# Altium PCB Cubli.PcbDoc (part 4 of 5) (continued)
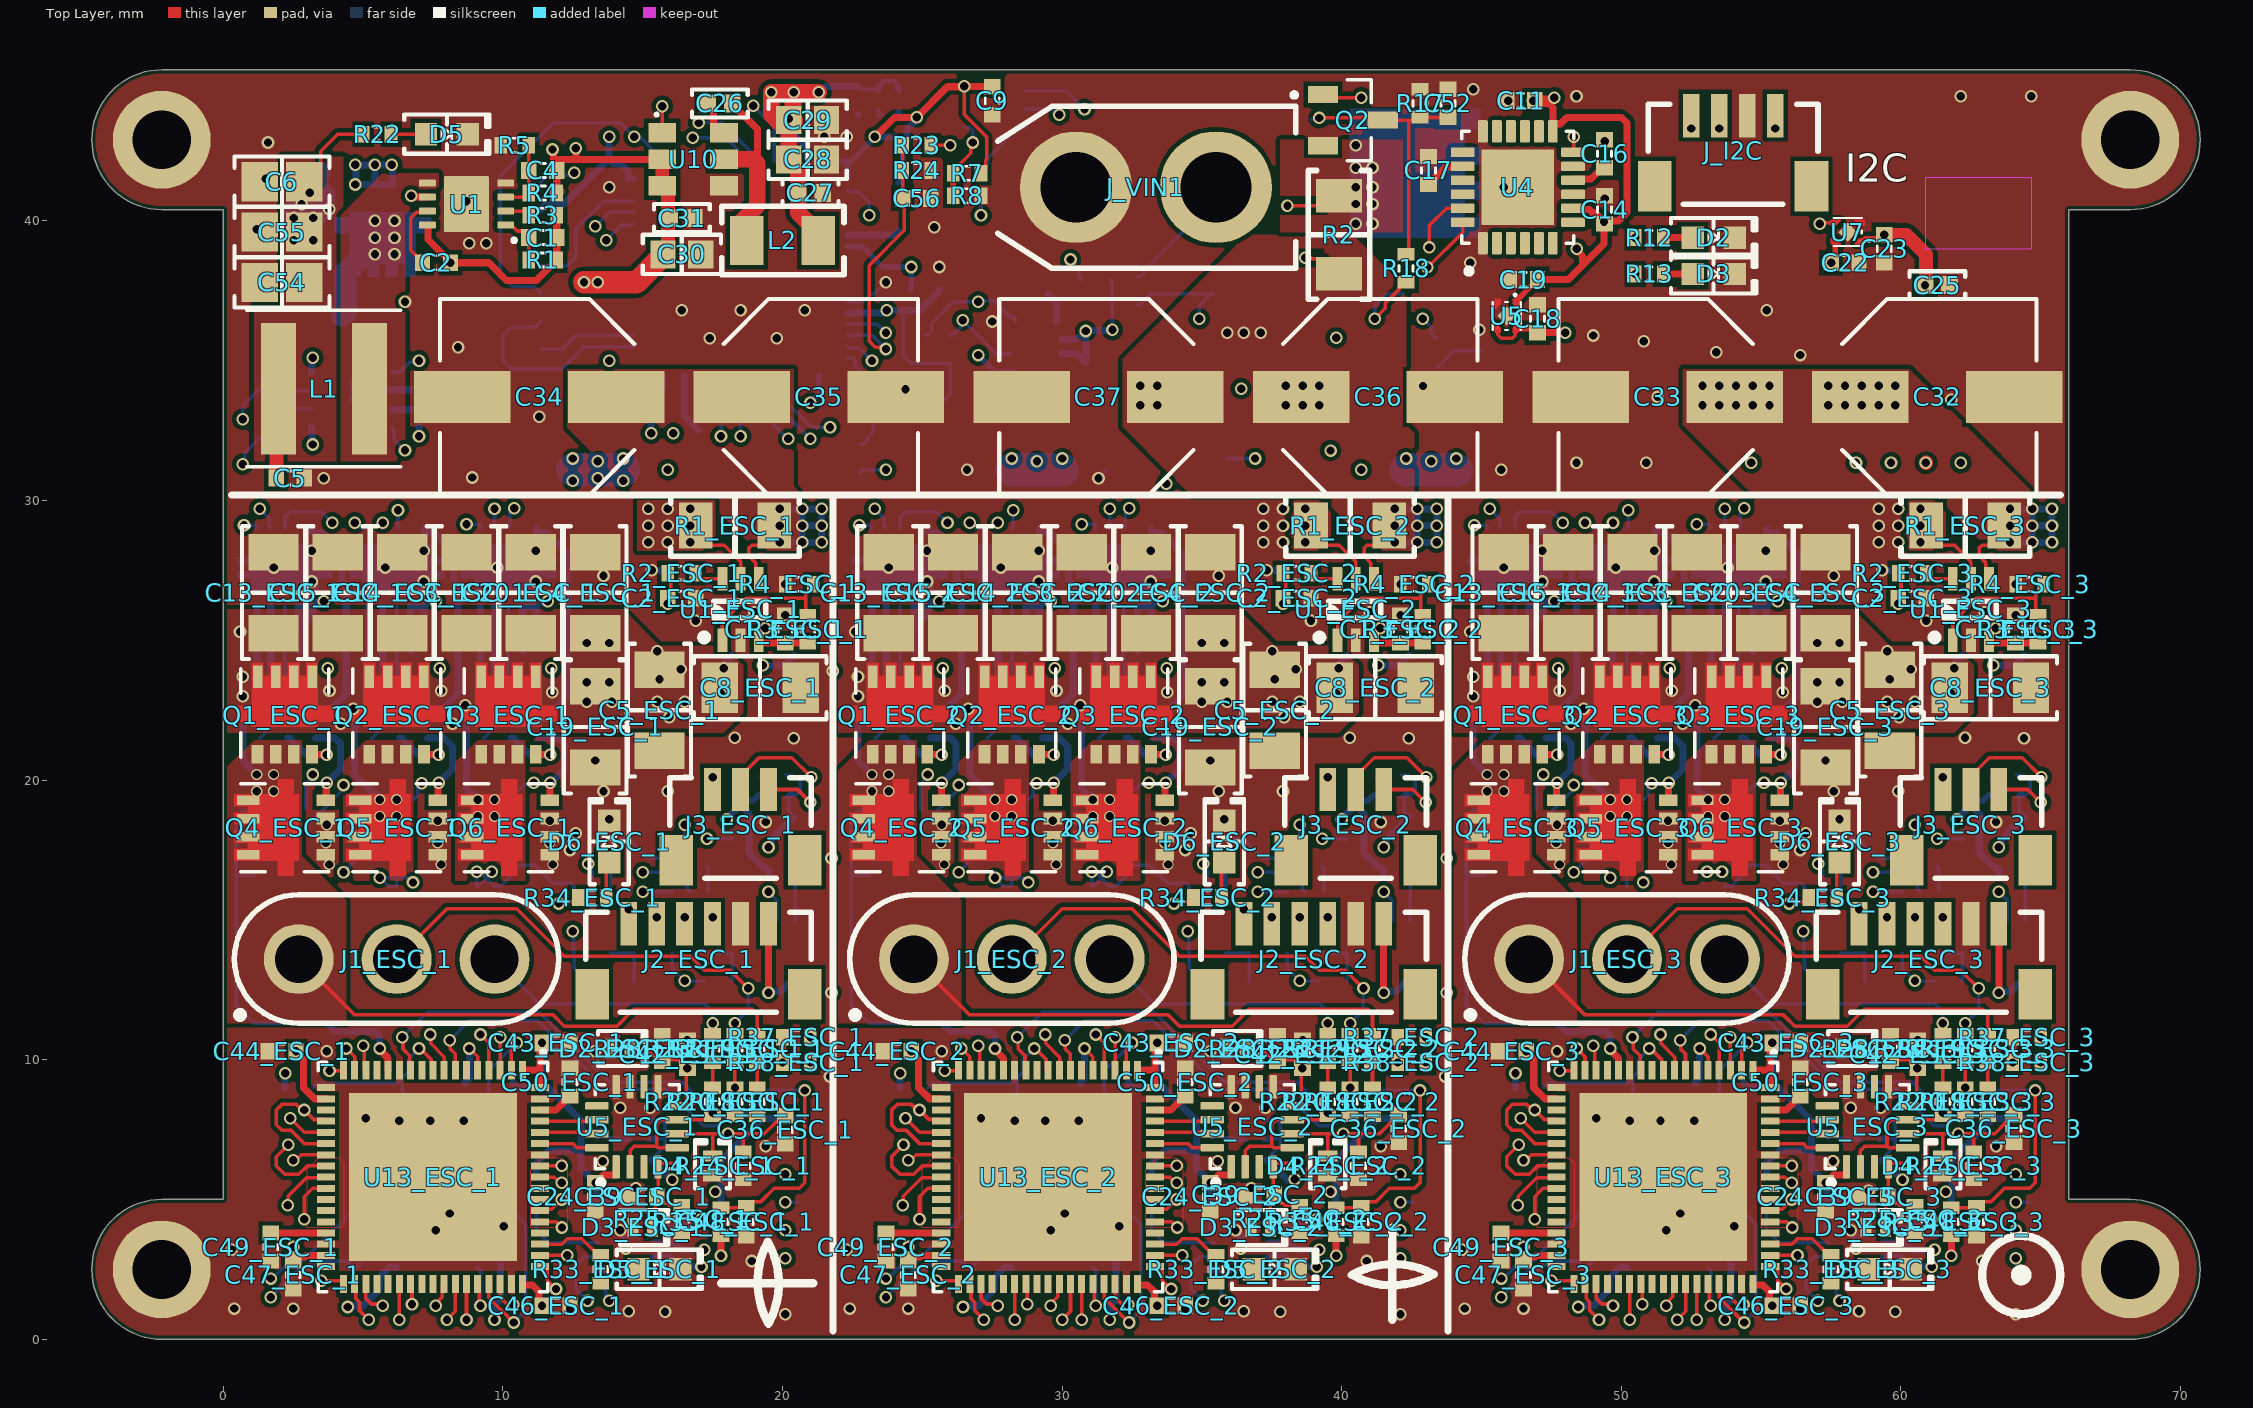
[diagram p0: Top Layer view]
## Nets (pads, with @x,y where several pads share a name; then routed paths per layer and width w, separated by ;. In a path a pad name is that pad's centre, name@x,y a point inside that pad or via, vN(x,y) a via of type N, cw(c..) or ccw(c..) an arc to the next point about the centre after c; other vN are vias at no path point) (continued)
OUT_V_3: J1_ESC_3.2 R13_ESC_3.2 R21_ESC_3.1 U11_ESC_3.4 | length 31.6
  Top Layer w0.127: J1_ESC_3.2@50.2,13.6 52,15.4 54.5,15.4 56.2,13.7 60.7,13.7 61.2,13.2 62.125,13.2 v1(62.777,12.548)
  Top Layer w0.254: R21_ESC_3.1@62.3,10.9 v1(62.3,11.3)
  Signal 2 w0.127: v1(48.3,16.7) 49.2,15.8 51.2,15.8 51.4,16 v1(59,16)
  Bottom Layer w0.127: v1(48.3,16.7) 48.8,17.2 50,17.2 50.2,17 R13_ESC_3.2@50.2,16.2 ; v1@59.062,15.938 v1(59,16) U11_ESC_3.4@60.05,16 ; v1(62.3,11.3) 62.777,11.777 v1(62.777,12.548)
  other v1: 50.785,16.338 49.6,16.5
OUT_W_1: J1_ESC_1.3 R14_ESC_1.2 R23_ESC_1.1 U12_ESC_1.4 | length 15.3
  Top Layer w0.127: R23_ESC_1.1@17.5,10.9 v1(17.5,11.3)
  Bottom Layer w0.127: v1(9.598,16.716) 9.598,16.673 9.125,16.2 9.062,16.2 v1(9.062,16.725) 9.175,16.725 9.413,16.487 R14_ESC_1.2@9.7,16.2 9.925,16.2 10.462,16.737 10.462,16.887 10.536,16.962 11.139,16.962 11.789,16.312 12.439,16.312 12.55,16.2 U12_ESC_1.4@12.55,16 ; J1_ESC_1.3@9.7,13.6 11.3,12 17.215,12 17.5,11.715 v1(17.5,11.3)
OUT_W_2: J1_ESC_2.3 R14_ESC_2.2 R23_ESC_2.1 U12_ESC_2.4 | length 15.3
  Top Layer w0.127: R23_ESC_2.1@39.5,10.9 v1(39.5,11.3)
  Bottom Layer w0.127: v1(31.598,16.716) 31.598,16.673 31.125,16.2 31.062,16.2 v1(31.062,16.725) 31.175,16.725 31.413,16.487 R14_ESC_2.2@31.7,16.2 31.925,16.2 32.461,16.737 32.461,16.887 32.536,16.962 33.138,16.962 33.788,16.312 34.438,16.312 34.55,16.2 U12_ESC_2.4@34.55,16 ; J1_ESC_2.3@31.7,13.6 33.3,12 39.215,12 39.5,11.715 v1(39.5,11.3)
OUT_W_3: J1_ESC_3.3 R14_ESC_3.2 R23_ESC_3.1 U12_ESC_3.4 | length 13.2
  Top Layer w0.127: R23_ESC_3.1@61.5,10.9 v1(61.5,11.3)
  Bottom Layer w0.127: J1_ESC_3.3@53.7,13.6 55.3,12 61.215,12 61.5,11.715 v1(61.5,11.3) ; R14_ESC_3.2@53.7,16.2 53.925,16.2 54.461,16.736 54.461,16.887 54.536,16.962 55.138,16.962 55.788,16.312 56.438,16.312 56.55,16.2 U12_ESC_3.4@56.55,16
  other v1: 53.598,16.716 53.062,16.725
PWM_UH_1: U8_ESC_1.7 U13_ESC_1.44 | length 37.1
  Top Layer w0.127: v1(7.6,1.2) 7.6,1.287 7.838,1.526 7.838,1.914 U13_ESC_1.44@7.9,1.975
  Signal 1 w0.127: v1(1.3,29.7) 1.3,21.6 2.2,20.7 2.2,18.5 0.3,16.6 0.3,4.6 3.5,1.4 3.8,1.4 4.2,1.8 7,1.8 v1(7.6,1.2)
  Bottom Layer w0.127: v1(1.3,29.7) 1.644,29.356 1.644,29.056 U8_ESC_1.7@1.7,29
PWM_UH_2: U8_ESC_2.7 U13_ESC_2.44 | length 37.1
  Top Layer w0.127: v1(29.6,1.2) 29.6,1.287 29.838,1.526 29.838,1.914 U13_ESC_2.44@29.9,1.975
  Signal 1 w0.127: v1(23.3,29.7) 23.3,21.6 24.2,20.7 24.2,18.5 22.3,16.6 22.3,4.6 25.5,1.4 25.8,1.4 26.2,1.8 29,1.8 v1(29.6,1.2)
  Bottom Layer w0.127: v1(23.3,29.7) 23.643,29.356 23.643,29.056 U8_ESC_2.7@23.7,29
PWM_UH_3: U8_ESC_3.7 U13_ESC_3.44 | length 37.1
  Top Layer w0.127: v1(51.6,1.2) 51.6,1.287 51.838,1.526 51.838,1.914 U13_ESC_3.44@51.9,1.975
  Signal 1 w0.127: v1(45.3,29.7) 45.3,21.6 46.2,20.7 46.2,18.5 44.3,16.6 44.3,4.6 47.5,1.4 47.8,1.4 48.2,1.8 51,1.8 v1(51.6,1.2)
  Bottom Layer w0.127: v1(45.3,29.7) 45.643,29.356 45.643,29.056 U8_ESC_3.7@45.7,29
PWM_UL_1: U8_ESC_1.8 U13_ESC_1.35 | length 34.7
  Top Layer w0.127: v1(3.5,2.1) 4.239,2.1 4.3,2.038 U13_ESC_1.35@4.3,1.975
  Signal 1 w0.127: v1(3.5,2.1) 3.5,4.7 2.984,5.216 2.084,5.216 1.2,6.1 1.2,10.5 2.5,11.8 3.6,11.8 4.3,12.5 4.3,14.7 4.8,15.2 4.8,20.3 5.3,20.8 5.3,27.8 v1(3.9,29.2)
  Bottom Layer w0.127: U8_ESC_1.8@2.2,29 2.209,29.009 2.209,29.409 2.4,29.6 3.5,29.6 v1(3.9,29.2)
PWM_UL_2: U8_ESC_2.8 U13_ESC_2.35 | length 34.7
  Top Layer w0.127: v1(25.5,2.1) 26.238,2.1 26.3,2.038 U13_ESC_2.35@26.3,1.975
  Signal 1 w0.127: v1(25.5,2.1) 25.5,4.7 24.984,5.216 24.084,5.216 23.2,6.1 23.2,10.5 24.5,11.8 25.6,11.8 26.3,12.5 26.3,14.7 26.8,15.2 26.8,20.3 27.3,20.8 27.3,27.8 v1(25.9,29.2)
  Bottom Layer w0.127: U8_ESC_2.8@24.2,29 24.209,29.009 24.209,29.409 24.4,29.6 25.5,29.6 v1(25.9,29.2)
PWM_UL_3: U8_ESC_3.8 U13_ESC_3.35 | length 34.7
  Top Layer w0.127: v1(47.5,2.1) 48.238,2.1 48.3,2.038 U13_ESC_3.35@48.3,1.975
  Signal 1 w0.127: v1(47.5,2.1) 47.5,4.7 46.984,5.216 46.084,5.216 45.2,6.1 45.2,10.5 46.5,11.8 47.6,11.8 48.3,12.5 48.3,14.7 48.8,15.2 48.8,20.3 49.3,20.8 49.3,27.8 v1(47.9,29.2)
  Bottom Layer w0.127: U8_ESC_3.8@46.2,29 46.209,29.009 46.209,29.409 46.4,29.6 47.5,29.6 v1(47.9,29.2)
PWM_VH_1: U9_ESC_1.7 U13_ESC_1.45 | length 36.8
  Top Layer w0.127: v1(8,0.7) 8.3,1 U13_ESC_1.45@8.3,1.975
  Signal 1 w0.127: v1(5.7,29.2) 6.4,28.5 6.4,21.3 5.1,20 5.1,15 4.6,14.5 4.6,12.2 3.9,11.5 2.7,11.5 1.5,10.3 1.5,6.4 2.3,5.6 3.9,5.6 8.016,1.485 8.016,0.716 v1(8,0.7)
  Bottom Layer w0.127: U9_ESC_1.7@5.7,29 v1(5.7,29.2)
PWM_VH_2: U9_ESC_2.7 U13_ESC_2.45 | length 36.8
  Top Layer w0.127: v1(30,0.7) 30.3,1 U13_ESC_2.45@30.3,1.975
  Signal 1 w0.127: v1(27.7,29.2) 28.4,28.5 28.4,21.3 27.1,20 27.1,15 26.6,14.5 26.6,12.2 25.9,11.5 24.7,11.5 23.5,10.3 23.5,6.4 24.3,5.6 25.9,5.6 30.015,1.485 30.015,0.716 v1(30,0.7)
  Bottom Layer w0.127: U9_ESC_2.7@27.7,29 v1(27.7,29.2)
PWM_VH_3: U9_ESC_3.7 U13_ESC_3.45 | length 36.8
  Top Layer w0.127: v1(52,0.7) 52.3,1 U13_ESC_3.45@52.3,1.975
  Signal 1 w0.127: v1(49.7,29.2) 50.4,28.5 50.4,21.3 49.1,20 49.1,15 48.6,14.5 48.6,12.2 47.9,11.5 46.7,11.5 45.5,10.3 45.5,6.4 46.3,5.6 47.9,5.6 52.015,1.485 52.015,0.716 v1(52,0.7)
  Bottom Layer w0.127: U9_ESC_3.7@49.7,29 v1(49.7,29.2)
PWM_VL_1: U9_ESC_1.8 U13_ESC_1.26 | length 32.5
  Top Layer w0.127: v1(2.3,4.8) 2.317,4.817 2.317,5.117 2.977,5.777 3.652,5.777 U13_ESC_1.26@3.675,5.8
  Signal 1 w0.127: v1(2.3,4.8) 1.7,4.8 0.9,5.6 0.9,13.837 1.3,14.237 1.3,16.3 2.754,17.754 2.754,28.954 3.523,29.723 v1@6.4,29.723
  Bottom Layer w0.127: U9_ESC_1.8@6.2,29 6.25,29.05 v1(6.25,29.65)
PWM_VL_2: U9_ESC_2.8 U13_ESC_2.26 | length 32.5
  Top Layer w0.127: v1(24.3,4.8) 24.317,4.817 24.317,5.117 24.977,5.777 25.652,5.777 U13_ESC_2.26@25.675,5.8
  Signal 1 w0.127: v1(24.3,4.8) 23.7,4.8 22.9,5.6 22.9,13.837 23.3,14.237 23.3,16.3 24.754,17.754 24.754,28.954 25.523,29.723 v1@28.4,29.723
  Bottom Layer w0.127: U9_ESC_2.8@28.2,29 28.25,29.05 v1(28.25,29.65)
PWM_VL_3: U9_ESC_3.8 U13_ESC_3.26 | length 32.5
  Top Layer w0.127: v1(46.3,4.8) 46.317,4.817 46.317,5.117 46.977,5.777 47.652,5.777 U13_ESC_3.26@47.675,5.8
  Signal 1 w0.127: v1(46.3,4.8) 45.7,4.8 44.9,5.6 44.9,13.837 45.3,14.237 45.3,16.3 46.754,17.754 46.754,28.954 47.523,29.723 v1@50.4,29.723
  Bottom Layer w0.127: U9_ESC_3.8@50.2,29 50.25,29.05 v1(50.25,29.65)
PWM_WH_1: U10_ESC_1.7 U13_ESC_1.46 | length 40.2
  Top Layer w0.127: v1(8.7,0.7) U13_ESC_1.46@8.7,1.975
  Signal 1 w0.127: v1(8.7,0.7) 8.7,1.4 4.2,5.9 2.4,5.9 1.8,6.5 1.8,10.1 2.9,11.2 4.2,11.2 5,12 7.1,12 7.946,12.846 7.946,14.605 8.346,15.005 8.346,19.846 9.2,20.7 9.2,28.2 9.7,28.7 v1(9.7,29.7)
  Bottom Layer w0.127: U10_ESC_1.7@9.7,29 v1(9.7,29.7)
PWM_WH_2: U10_ESC_2.7 U13_ESC_2.46 | length 40.2
  Top Layer w0.127: v1(30.7,0.7) U13_ESC_2.46@30.7,1.975
  Signal 1 w0.127: v1(30.7,0.7) 30.7,1.4 26.2,5.9 24.4,5.9 23.8,6.5 23.8,10.1 24.9,11.2 26.2,11.2 27,12 29.1,12 29.946,12.846 29.946,14.605 30.346,15.005 30.346,19.846 31.2,20.7 31.2,28.2 31.7,28.7 v1(31.7,29.7)
  Bottom Layer w0.127: U10_ESC_2.7@31.7,29 v1(31.7,29.7)
PWM_WH_3: U10_ESC_3.7 U13_ESC_3.46 | length 40.2
  Top Layer w0.127: v1(52.7,0.7) U13_ESC_3.46@52.7,1.975
  Signal 1 w0.127: v1(52.7,0.7) 52.7,1.4 48.2,5.9 46.4,5.9 45.8,6.5 45.8,10.1 46.9,11.2 48.2,11.2 49,12 51.1,12 51.946,12.846 51.946,14.605 52.346,15.005 52.346,19.846 53.2,20.7 53.2,28.2 53.7,28.7 v1(53.7,29.7)
  Bottom Layer w0.127: U10_ESC_3.7@53.7,29 v1(53.7,29.7)
PWM_WL_1: U10_ESC_1.8 U13_ESC_1.27 | length 38.5
  Top Layer w0.127: v1(2.9,4.3) 2.9,5.1 3.2,5.4 U13_ESC_1.27@3.675,5.4
  Signal 1 w0.127: v1(2.9,4.3) 1.7,4.3 0.6,5.4 0.6,16.3 2.5,18.2 2.5,21 2.3,21.2 2.3,29.2 3.3,30.2 9.923,30.2 v1(10.4,29.723)
  Bottom Layer w0.127: U10_ESC_1.8@10.2,29 10.25,29.05 v1@10.25,29.65
PWM_WL_2: U10_ESC_2.8 U13_ESC_2.27 | length 38.5
  Top Layer w0.127: v1(24.9,4.3) 24.9,5.1 25.2,5.4 U13_ESC_2.27@25.675,5.4
  Signal 1 w0.127: v1(24.9,4.3) 23.7,4.3 22.6,5.4 22.6,16.3 24.5,18.2 24.5,21 24.3,21.2 24.3,29.2 25.3,30.2 31.923,30.2 v1(32.4,29.723)
  Bottom Layer w0.127: U10_ESC_2.8@32.2,29 32.25,29.05 v1@32.25,29.65
PWM_WL_3: U10_ESC_3.8 U13_ESC_3.27 | length 38.5
  Top Layer w0.127: v1(46.9,4.3) 46.9,5.1 47.2,5.4 U13_ESC_3.27@47.675,5.4
  Signal 1 w0.127: v1(46.9,4.3) 45.7,4.3 44.6,5.4 44.6,16.3 46.5,18.2 46.5,21 46.3,21.2 46.3,29.2 47.3,30.2 53.923,30.2 v1(54.4,29.723)
  Bottom Layer w0.127: U10_ESC_3.8@54.2,29 54.25,29.05 v1@54.25,29.65
PWR_EN: Q2.1 R21.2 U11.16 | length 34.2
  Top Layer w0.127: Q2.1@39.33,44.515 39.445,44.4 v1(40.7,44.4)
  Signal 1 w0.127: v1(23.2,35) 25.628,35 25.844,34.784 28.184,34.784 28.9,35.5 32.3,35.5 34,37.2 42.2,37.2 v1(42.9,36.5)
  Signal 2 w0.127: v1(40.7,44.4) 43.9,41.2 43.9,37.5 v1(42.9,36.5)
  Bottom Layer w0.127: U11.16@22.325,35.5 22.387,35.439 22.761,35.439 v1(23.2,35) ; v1(42.9,36.5) 43.194,36.206 43.194,35.962 43.355,35.8 R21.2@43.4,35.8
PWR_EN_GATE: C52.1 Q2.3 Q3.4 R17.1 R18.1 | length 10
  Top Layer w0.127: v1(39.2,43.679) 41.391,43.679 Q2.3@41.47,43.6 42.4,43.6 ; R18.1@42.3,38.8 42.4,38.9 42.4,43.6 ; R17.1@42.588,43.563 42.663,43.563 R17.1@42.758,43.658 ; R17.1@42.8,43.695 C52.1@43.795,43.695 ; R17.1@42.8,43.7 42.751,43.7 42.725,43.7 42.625,43.6 42.4,43.6
  Bottom Layer w0.127: Q3.4@38.92,43.605 38.994,43.679 v1(39.2,43.679)
PWR_LED: D4.1 R21.1 | length 1.8
  Bottom Layer w0.127: R21.1@43.4,34.8 43.475,34.8 44.025,35.35 D4.1@45,35.35
RSSI: U8.7
  other v1: 54.644,31.347
RST_L: C43.1 J1.1 R14.1 U11.7 | length 18.2
  Signal 2 w0.127: v1(12.552,41.721) 14.879,41.721 18.25,38.35 v1(24.6,38.35)
  Bottom Layer w0.127: J1.1@11.362,41.4 11.599,41.636 12.38,41.636 12.465,41.721 v1(12.552,41.721)
  Bottom Layer w0.2: U11.7@22.325,39.1 22.35,39.075 22.854,39.075 23.579,38.35 v1(24.6,38.35) R14.1@24.6,37.55
RST_L_1: C48_ESC_1.1 J4_ESC_1.1 R35_ESC_1.1 U13_ESC_1.7 | length 22.7
  Top Layer w0.127: v1(8.1,10.7) 8.117,10.683 8.117,10.383 8.293,10.207 8.293,9.632 U13_ESC_1.7@8.3,9.625 ; R35_ESC_1.1@17.8,4.7 C48_ESC_1.1@18.7,4.7 18.912,4.912 19.212,4.912 19.7,5.4 20.6,5.4 20.8,5.6 v1(20.8,8.9)
  Bottom Layer w0.127: v1(8.1,10.7) 8.8,11.4 11.241,11.4 13.695,8.946 15.854,8.946 17.168,7.632 17.632,7.632 17.9,7.9 18.5,7.9 19.5,8.9 J4_ESC_1.1@20.562,8.9
RST_L_2: C48_ESC_2.1 J4_ESC_2.1 R35_ESC_2.1 U13_ESC_2.7 | length 22.7
  Top Layer w0.127: v1(30.1,10.7) 30.117,10.683 30.117,10.383 30.293,10.207 30.293,9.632 U13_ESC_2.7@30.3,9.625 ; R35_ESC_2.1@39.8,4.7 C48_ESC_2.1@40.7,4.7 40.911,4.912 41.211,4.912 41.7,5.4 42.6,5.4 42.8,5.6 v1(42.8,8.9)
  Bottom Layer w0.127: v1(30.1,10.7) 30.8,11.4 33.241,11.4 35.695,8.946 37.854,8.946 39.168,7.632 39.632,7.632 39.9,7.9 40.5,7.9 41.5,8.9 J4_ESC_2.1@42.563,8.9
RST_L_3: C48_ESC_3.1 J4_ESC_3.1 R35_ESC_3.1 U13_ESC_3.7 | length 22.7
  Top Layer w0.127: v1(52.1,10.7) 52.117,10.683 52.117,10.383 52.293,10.207 52.293,9.632 U13_ESC_3.7@52.3,9.625 ; R35_ESC_3.1@61.8,4.7 C48_ESC_3.1@62.7,4.7 62.911,4.912 63.211,4.912 63.7,5.4 64.6,5.4 64.8,5.6 v1(64.8,8.9)
  Bottom Layer w0.127: v1(52.1,10.7) 52.8,11.4 55.241,11.4 57.695,8.946 59.854,8.946 61.168,7.632 61.632,7.632 61.9,7.9 62.5,7.9 63.5,8.9 J4_ESC_3.1@64.563,8.9
RX: J1.7 U11.37 | length 3.5
  Bottom Layer w0.127: J1.7@11.362,35.4 12.1,35.4 12.6,35.9 U11.37@14.675,35.9
RX_1: J4_ESC_1.7 U13_ESC_1.37 | length 18.3
  Top Layer w0.127: U13_ESC_1.37@5.1,1.975 5.1,1.46 5.298,1.262 5.638,1.262 v1(5.7,1.2)
  Signal 2 w0.127: v1(5.7,1.2) 5.715,1.215 5.715,1.616 7.1,3 11,3 11.5,3.5 12.7,3.5 14.8,1.4 18.6,1.4 v1(20.1,2.9)
RX_2: J4_ESC_2.7 U13_ESC_2.37 | length 18.3
  Top Layer w0.127: U13_ESC_2.37@27.1,1.975 27.1,1.46 27.298,1.262 27.638,1.262 v1(27.7,1.2)
  Signal 2 w0.127: v1(27.7,1.2) 27.715,1.215 27.715,1.616 29.1,3 33,3 33.5,3.5 34.7,3.5 36.8,1.4 40.6,1.4 v1(42.1,2.9)
RX_3: J4_ESC_3.7 U13_ESC_3.37 | length 18.3
  Top Layer w0.127: U13_ESC_3.37@49.1,1.975 49.1,1.46 49.298,1.262 49.638,1.262 v1(49.7,1.2)
  Signal 2 w0.127: v1(49.7,1.2) 49.715,1.215 49.715,1.616 51.1,3 55,3 55.5,3.5 56.7,3.5 58.8,1.4 62.6,1.4 v1(64.1,2.9)
SERVO_1: J3_ESC_1.3 U13_ESC_1.56 | length 26.2
  Top Layer w0.127: U13_ESC_1.56@11.325,4.2 11.913,4.2 v1(12.113,4) ; J3_ESC_1.3@17.5,19.663 v1(17.5,20.1)
  Signal 1 w0.127: v1(12.113,4) 11.798,3.685 11.798,2.694 12.041,2.45 12.385,2.45 12.9,2.965 12.9,8 20.4,15.5 20.4,18.3 18.6,20.1 v1(17.5,20.1)
SERVO_2: J3_ESC_2.3 U13_ESC_2.56 | length 26.2
  Top Layer w0.127: U13_ESC_2.56@33.325,4.2 33.913,4.2 v1(34.113,4) ; J3_ESC_2.3@39.5,19.663 v1(39.5,20.1)
  Signal 1 w0.127: v1(34.113,4) 33.798,3.685 33.798,2.694 34.041,2.45 34.385,2.45 34.9,2.965 34.9,8 42.4,15.5 42.4,18.3 40.6,20.1 v1(39.5,20.1)
SERVO_3: J3_ESC_3.3 U13_ESC_3.56 | length 26.2
  Top Layer w0.127: U13_ESC_3.56@55.325,4.2 55.913,4.2 v1(56.113,4) ; J3_ESC_3.3@61.5,19.663 v1(61.5,20.1)
  Signal 1 w0.127: v1(56.113,4) 55.798,3.685 55.798,2.694 56.041,2.45 56.385,2.45 56.9,2.965 56.9,8 64.4,15.5 64.4,18.3 62.6,20.1 v1(61.5,20.1)
SH_V_R_1: C30_ESC_1.1 Q2_ESC_1.1 Q2_ESC_1.2 Q2_ESC_1.3 Q5_ESC_1.5 Q5_ESC_1.6 Q5_ESC_1.7 Q5_ESC_1.8 R13_ESC_1.1 U9_ESC_1.5 U11_ESC_1.5 | length 21.7
  Signal 2 w0.127: v1(7.093,19.893) 7.093,16.97 7.763,16.3 14.6,16.3 v1(15,16.7)
  Bottom Layer w0.127: R13_ESC_1.1@6.8,19.3 6.961,19.462 6.961,19.769 v1@7.02,19.827 ; v1(15,16.7) 16.3,16.7 16.589,16.412 16.589,16.112 U11_ESC_1.5@16.7,16
  Bottom Layer w0.254: U9_ESC_1.5@5.2,26.2 5.207,26.193 5.207,22.593 C30_ESC_1.1@5.3,22.5 5.275,22.5 4.7,21.925 4.7,20.2 5.427,19.473 5.502,19.473 5.6,19.375 v2(5.6,19.3)
  other v2: 5.6,18.7 6.2,18.7 6.2,19.3
SH_V_R_2: C30_ESC_2.1 Q2_ESC_2.1 Q2_ESC_2.2 Q2_ESC_2.3 Q5_ESC_2.5 Q5_ESC_2.6 Q5_ESC_2.7 Q5_ESC_2.8 R13_ESC_2.1 U9_ESC_2.5 U11_ESC_2.5 | length 21.7
  Signal 2 w0.127: v1(29.092,19.893) 29.092,16.97 29.762,16.3 36.6,16.3 v1(37,16.7)
  Bottom Layer w0.127: R13_ESC_2.1@28.8,19.3 28.961,19.462 28.961,19.769 v1@29.02,19.827 ; v1(37,16.7) 38.3,16.7 38.588,16.412 38.588,16.112 U11_ESC_2.5@38.7,16
  Bottom Layer w0.254: U9_ESC_2.5@27.2,26.2 27.207,26.193 27.207,22.593 C30_ESC_2.1@27.3,22.5 27.275,22.5 26.7,21.925 26.7,20.2 27.427,19.473 27.502,19.473 27.6,19.375 v2(27.6,19.3)
  other v2: 27.6,18.7 28.2,18.7 28.2,19.3
SH_V_R_3: C30_ESC_3.1 Q2_ESC_3.1 Q2_ESC_3.2 Q2_ESC_3.3 Q5_ESC_3.5 Q5_ESC_3.6 Q5_ESC_3.7 Q5_ESC_3.8 R13_ESC_3.1 U9_ESC_3.5 U11_ESC_3.5 | length 21.7
  Signal 2 w0.127: v1(51.092,19.893) 51.092,16.97 51.762,16.3 58.6,16.3 v1(59,16.7)
  Bottom Layer w0.127: R13_ESC_3.1@50.8,19.3 50.961,19.462 50.961,19.769 v1@51.02,19.827 ; v1(59,16.7) 60.3,16.7 60.588,16.412 60.588,16.112 U11_ESC_3.5@60.7,16
  Bottom Layer w0.254: U9_ESC_3.5@49.2,26.2 49.207,26.193 49.207,22.593 C30_ESC_3.1@49.3,22.5 49.275,22.5 48.7,21.925 48.7,20.2 49.427,19.473 49.502,19.473 49.6,19.375 v2(49.6,19.3)
  other v2: 49.6,18.7 50.2,18.7 50.2,19.3
SH_W_R_1: C33_ESC_1.1 Q3_ESC_1.1 Q3_ESC_1.2 Q3_ESC_1.3 Q6_ESC_1.5 Q6_ESC_1.6 Q6_ESC_1.7 Q6_ESC_1.8 R14_ESC_1.1 U10_ESC_1.5 U12_ESC_1.5 | length 14.5
  Signal 2 w0.127: v1(11.1,19.9) 11.1,19.4 11.3,19.2 12.125,19.2 13.048,18.277 v1(13.048,17)
  Bottom Layer w0.127: R14_ESC_1.1@9.7,19 9.925,19 R14_ESC_1.1@10.262,19.338 ; R14_ESC_1.1@10.3,19.3 10.3,19.375 10.763,19.838 11.038,19.838 v1(11.1,19.9) ; v1(13.048,17) 13.048,16.913 13.2,16.761 U12_ESC_1.5@13.2,16
  Bottom Layer w0.254: v2(9.1,19.3) 9.1,19.375 9.002,19.473 8.927,19.473 8.7,19.7 8.7,21.925 9.275,22.5 C33_ESC_1.1@9.3,22.5 9.207,22.593 9.207,26.193 U10_ESC_1.5@9.2,26.2
  other v2: 9.1,18.7 9.7,18.7 9.7,19.3
SH_W_R_2: C33_ESC_2.1 Q3_ESC_2.1 Q3_ESC_2.2 Q3_ESC_2.3 Q6_ESC_2.5 Q6_ESC_2.6 Q6_ESC_2.7 Q6_ESC_2.8 R14_ESC_2.1 U10_ESC_2.5 U12_ESC_2.5 | length 14.5
  Signal 2 w0.127: v1(33.1,19.9) 33.1,19.4 33.3,19.2 34.125,19.2 35.048,18.277 v1(35.048,17)
  Bottom Layer w0.127: R14_ESC_2.1@31.7,19 31.925,19 R14_ESC_2.1@32.262,19.338 ; R14_ESC_2.1@32.3,19.3 32.3,19.375 32.763,19.838 33.038,19.838 v1(33.1,19.9) ; v1(35.048,17) 35.048,16.913 35.2,16.761 U12_ESC_2.5@35.2,16
  Bottom Layer w0.254: v2(31.1,19.3) 31.1,19.375 31.002,19.473 30.927,19.473 30.7,19.7 30.7,21.925 31.275,22.5 C33_ESC_2.1@31.3,22.5 31.207,22.593 31.207,26.193 U10_ESC_2.5@31.2,26.2
  other v2: 31.1,18.7 31.7,18.7 31.7,19.3
SH_W_R_3: C33_ESC_3.1 Q3_ESC_3.1 Q3_ESC_3.2 Q3_ESC_3.3 Q6_ESC_3.5 Q6_ESC_3.6 Q6_ESC_3.7 Q6_ESC_3.8 R14_ESC_3.1 U10_ESC_3.5 U12_ESC_3.5 | length 14.5
  Signal 2 w0.127: v1(55.1,19.9) 55.1,19.4 55.3,19.2 56.125,19.2 57.048,18.277 v1(57.048,17)
  Bottom Layer w0.127: R14_ESC_3.1@53.7,19 53.925,19 R14_ESC_3.1@54.262,19.338 ; R14_ESC_3.1@54.3,19.3 54.3,19.375 54.763,19.838 55.038,19.838 v1(55.1,19.9) ; v1(57.048,17) 57.048,16.913 57.2,16.761 U12_ESC_3.5@57.2,16
  Bottom Layer w0.254: v2(53.1,19.3) 53.1,19.375 53.002,19.473 52.927,19.473 52.7,19.7 52.7,21.925 53.275,22.5 C33_ESC_3.1@53.3,22.5 53.207,22.593 53.207,26.193 U10_ESC_3.5@53.2,26.2
  other v2: 53.1,18.7 53.7,18.7 53.7,19.3
SPI_ESC.MISO_1: J2_ESC_1.5 U13_ESC_1.22 | length 35.9
  Top Layer w0.127: v1(2.4,7.9) 2.9,7.4 U13_ESC_1.22@3.675,7.4 ; J2_ESC_1.5@15.5,14.863 v1(15.5,15.1)
  Signal 1 w0.127: v1(2.4,7.9) 2.4,8.5 2.8,8.9 10.582,8.9 15.3,13.618 15.3,14.864 15.5,15.064 v1(15.5,15.1)
  Signal 2 w0.127: v1(2.4,7.9) 2.4,8.4 3.185,9.185 10.585,9.185 15.438,14.038 15.438,15.038 v1(15.5,15.1)
SPI_ESC.MISO_2: J2_ESC_2.5 U13_ESC_2.22 | length 35.9
  Top Layer w0.127: v1(24.4,7.9) 24.9,7.4 U13_ESC_2.22@25.675,7.4 ; J2_ESC_2.5@37.5,14.863 v1(37.5,15.1)
  Signal 1 w0.127: v1(24.4,7.9) 24.4,8.5 24.8,8.9 32.582,8.9 37.3,13.618 37.3,14.864 37.5,15.064 v1(37.5,15.1)
  Signal 2 w0.127: v1(24.4,7.9) 24.4,8.4 25.184,9.185 32.584,9.185 37.438,14.038 37.438,15.038 v1(37.5,15.1)
SPI_ESC.MISO_3: J2_ESC_3.5 U13_ESC_3.22 | length 35.9
  Top Layer w0.127: v1(46.4,7.9) 46.9,7.4 U13_ESC_3.22@47.675,7.4 ; J2_ESC_3.5@59.5,14.863 v1(59.5,15.1)
  Signal 1 w0.127: v1(46.4,7.9) 46.4,8.5 46.8,8.9 54.582,8.9 59.3,13.618 59.3,14.864 59.5,15.064 v1(59.5,15.1)
  Signal 2 w0.127: v1(46.4,7.9) 46.4,8.4 47.184,9.185 54.584,9.185 59.438,14.038 59.438,15.038 v1(59.5,15.1)
SWCLK: J1.5 U11.52 | length 12.3
  Bottom Layer w0.127: J1.5@11.362,37.4 11.126,37.636 10.364,37.636 9.9,38.1 9.9,41.6 11.8,43.5 14.2,43.5 v1(14.7,43) 14.762,42.938 14.962,42.938 15.3,42.6 U11.52@15.3,42.125
SWCLK_1: J4_ESC_1.5 U13_ESC_1.52 | length 13.1
  Top Layer w0.127: U13_ESC_1.52@11.325,2.6 11.525,2.6 11.586,2.539 11.586,2.113 v1(11.9,1.8)
  Signal 1 w0.127: v1(11.9,1.8) 19.737,1.8 20.635,2.698 20.635,4.365 v1(20.1,4.9)
  Bottom Layer w0.127: v1(20.1,4.9) J4_ESC_1.5@20.562,4.9
SWCLK_2: J4_ESC_2.5 U13_ESC_2.52 | length 13.1
  Top Layer w0.127: U13_ESC_2.52@33.325,2.6 33.525,2.6 33.586,2.539 33.586,2.113 v1(33.9,1.8)
  Signal 1 w0.127: v1(33.9,1.8) 41.737,1.8 42.635,2.698 42.635,4.365 v1(42.1,4.9)
  Bottom Layer w0.127: v1(42.1,4.9) J4_ESC_2.5@42.563,4.9
SWCLK_3: J4_ESC_3.5 U13_ESC_3.52 | length 13.1
  Top Layer w0.127: U13_ESC_3.52@55.325,2.6 55.525,2.6 55.586,2.539 55.586,2.113 v1(55.9,1.8)
  Signal 1 w0.127: v1(55.9,1.8) 63.737,1.8 64.635,2.698 64.635,4.365 v1(64.1,4.9)
  Bottom Layer w0.127: v1(64.1,4.9) J4_ESC_3.5@64.563,4.9
SWDIO: J1.4 U11.49 | length 4.9
  Bottom Layer w0.127: J1.4@11.362,38.4 12.313,38.4 12.6,38.687 12.6,39.688 13.612,40.7 U11.49@14.675,40.7
SWDIO_1: J4_ESC_1.4 U13_ESC_1.49 | length 16.7
  Top Layer w0.127: U13_ESC_1.49@9.9,1.975 9.9,1.5 10.138,1.262 10.338,1.262 v1(10.369,1.231)
  Signal 1 w0.127: v1(10.369,1.231) 11.1,0.5 18.9,0.5 21.2,2.8 21.2,4.8 v1(20.1,5.9)
SWDIO_2: J4_ESC_2.4 U13_ESC_2.49 | length 16.7
  Top Layer w0.127: U13_ESC_2.49@31.9,1.975 31.9,1.5 32.138,1.262 32.338,1.262 v1(32.369,1.231)
  Signal 1 w0.127: v1(32.369,1.231) 33.1,0.5 40.9,0.5 43.2,2.8 43.2,4.8 v1(42.1,5.9)
SWDIO_3: J4_ESC_3.4 U13_ESC_3.49 | length 16.7
  Top Layer w0.127: U13_ESC_3.49@53.9,1.975 53.9,1.5 54.138,1.262 54.338,1.262 v1(54.369,1.231)
  Signal 1 w0.127: v1(54.369,1.231) 55.1,0.5 62.9,0.5 65.2,2.8 65.2,4.8 v1(64.1,5.9)
TX: J1.6 U11.36 | length 7.6
  Bottom Layer w0.127: J1.6@11.362,36.4 11.149,36.186 10.286,36.186 10,35.9 10,35 10.3,34.7 12.1,34.7 12.9,35.5 U11.36@14.675,35.5
TX_1: J4_ESC_1.6 U13_ESC_1.36 | length 20.9
  Top Layer w0.127: U13_ESC_1.36@4.7,1.975 4.741,1.934 4.741,1.46 4.872,1.328 4.872,1.028 v1(5.2,0.7)
  Signal 2 w0.127: v1(5.2,0.7) 5.2,2 6.63,3.43 10.43,3.43 11.5,4.5 12.5,4.5 15.1,1.9 18.6,1.9 19.4,2.7 19.4,3.2 v1(20.1,3.9)
TX_2: J4_ESC_2.6 U13_ESC_2.36 | length 20.9
  Top Layer w0.127: U13_ESC_2.36@26.7,1.975 26.741,1.934 26.741,1.46 26.872,1.328 26.872,1.028 v1(27.2,0.7)
  Signal 2 w0.127: v1(27.2,0.7) 27.2,2 28.63,3.43 32.43,3.43 33.5,4.5 34.5,4.5 37.1,1.9 40.6,1.9 41.4,2.7 41.4,3.2 v1(42.1,3.9)
TX_3: J4_ESC_3.6 U13_ESC_3.36 | length 20.9
  Top Layer w0.127: U13_ESC_3.36@48.7,1.975 48.741,1.934 48.741,1.46 48.872,1.328 48.872,1.028 v1(49.2,0.7)
  Signal 2 w0.127: v1(49.2,0.7) 49.2,2 50.63,3.43 54.43,3.43 55.5,4.5 56.5,4.5 59.1,1.9 62.6,1.9 63.4,2.7 63.4,3.2 v1(64.1,3.9)
V_ESC_1: C3_ESC_1.2 C4_ESC_1.2 C5_ESC_1.2 C6_ESC_1.2 C7_ESC_1.2 C8_ESC_1.2 C9_ESC_1.2 C10_ESC_1.2 C13_ESC_1.2 C14_ESC_1.2 C15_ESC_1.2 C16_ESC_1.2 C17_ESC_1.2 C18_ESC_1.2 C19_ESC_1.2 C20_ESC_1.2 Q1_ESC_1.5 Q1_ESC_1.6 Q1_ESC_1.7 Q1_ESC_1.8 Q2_ESC_1.5 Q2_ESC_1.6 Q2_ESC_1.7 Q2_ESC_1.8 Q3_ESC_1.5 Q3_ESC_1.6 Q3_ESC_1.7 Q3_ESC_1.8 R1_ESC_1.2 R5_ESC_1.2 R37_ESC_1.2 U1_ESC_1.5 | length 34.1
  Top Layer w0.127: R1_ESC_1.2@16.9,29.1 16.9,28.937 17.437,28.4 17.915,28.4 18.5,27.815 U1_ESC_1.5@18.5,27.2
  Signal 2 w0.254: v1(19.3,24.1) 19.3,19.6 21,17.9 v1(21,10.8)
  PWR 1 w0.127: v1(0.7,23) 0.3,22.6 0.3,10.7 1.486,9.514 v1(2.215,9.514)
  Bottom Layer w0.254: R5_ESC_1.2@2.2,9 2.208,9.008 2.208,9.507 v1(2.215,9.514) ; v1(17.9,24) 17.9,24.15 C7_ESC_1.2@18.2,24.45 ; v1(19.3,24.1) 20.05,24.1 C10_ESC_1.2@20.4,24.45
  other v1: 4.2,22.016 8.2,22.016 15.944,22.244 4.648,22.55 8.648,22.671 13,22.8 13.9,22.8 15.516,22.8 16.5,22.8 17.8,23.1 11.765,23.143 3.8,23.2 7.8,23.2 13,23.5 13.8,23.5 15.6,23.6 0.7,23.7 16.356,23.956 15.516,24.6 13,24.9 13.8,24.9 0.6,25.3 15.2,28.5 15.9,28.5 16.7,28.5 15.2,29.1 15.9,29.1 16.7,29.1 15.2,29.7 15.9,29.7 16.7,29.7
V_ESC_2: C3_ESC_2.2 C4_ESC_2.2 C5_ESC_2.2 C6_ESC_2.2 C7_ESC_2.2 C8_ESC_2.2 C9_ESC_2.2 C10_ESC_2.2 C13_ESC_2.2 C14_ESC_2.2 C15_ESC_2.2 C16_ESC_2.2 C17_ESC_2.2 C18_ESC_2.2 C19_ESC_2.2 C20_ESC_2.2 Q1_ESC_2.5 Q1_ESC_2.6 Q1_ESC_2.7 Q1_ESC_2.8 Q2_ESC_2.5 Q2_ESC_2.6 Q2_ESC_2.7 Q2_ESC_2.8 Q3_ESC_2.5 Q3_ESC_2.6 Q3_ESC_2.7 Q3_ESC_2.8 R1_ESC_2.2 R5_ESC_2.2 R37_ESC_2.2 U1_ESC_2.5 | length 34.1
  Top Layer w0.127: R1_ESC_2.2@38.9,29.1 38.9,28.937 39.436,28.4 39.915,28.4 40.5,27.815 U1_ESC_2.5@40.5,27.2
  Signal 2 w0.254: v1(41.3,24.1) 41.3,19.6 43,17.9 v1(43,10.8)
  PWR 1 w0.127: v1(22.7,23) 22.3,22.6 22.3,10.7 23.486,9.514 v1(24.215,9.514)
  Bottom Layer w0.254: R5_ESC_2.2@24.2,9 24.208,9.008 24.208,9.507 v1(24.215,9.514) ; v1(39.9,24) 39.9,24.15 C7_ESC_2.2@40.2,24.45 ; v1(41.3,24.1) 42.05,24.1 C10_ESC_2.2@42.4,24.45
  other v1: 26.2,22.016 30.2,22.016 37.944,22.244 26.648,22.55 30.648,22.671 35,22.8 35.9,22.8 37.515,22.8 38.5,22.8 39.8,23.1 33.765,23.143 25.8,23.2 29.8,23.2 35,23.5 35.8,23.5 37.6,23.6 22.7,23.7 38.356,23.956 37.515,24.6 35,24.9 35.8,24.9 22.6,25.3 38.7,28.5 38.7,29.1 38.7,29.7